# Altium PCB dcdc fix PT1000_16CH.PCBDOC (part 3 of 5)
Units mm, origin at the board's own origin, x right, y up, seen from the top; angles counter-clockwise.
Board outline 289.59 x 100 mm, 4 copper layers (TOP, G1, L2, BOT), stack 1.55 mm thick; 578 components, 662 nets, 2471 pads, 1032 vias.
Unrouted connection lines stored in the file: 760.
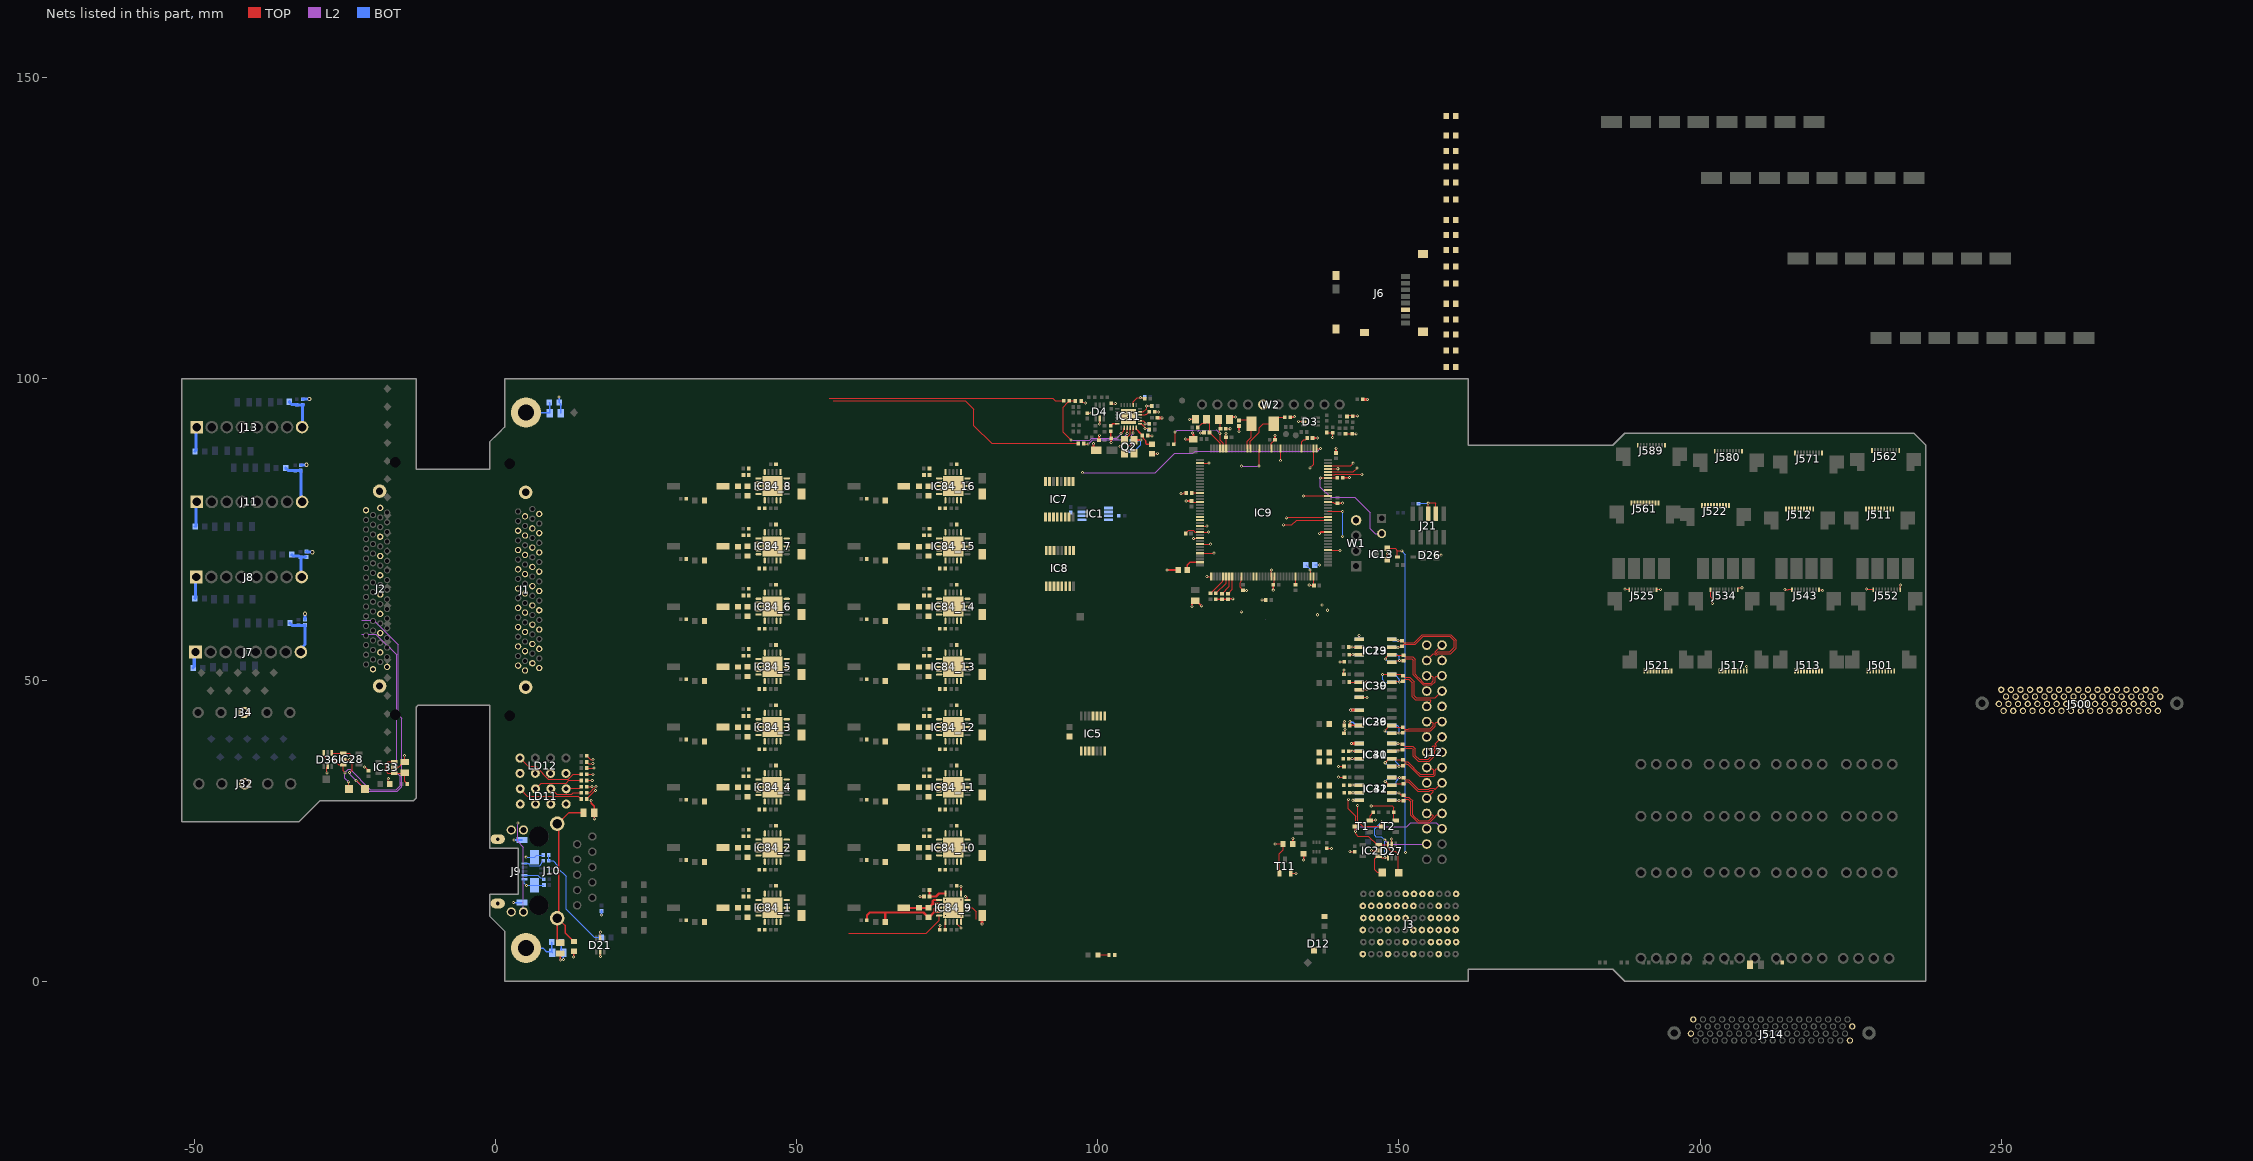
[diagram p5: the nets of this part, all layers, seen from the top]

## Via types
v1: diameter 0.5, hole 0.2, TOP to BOT, tented both sides, 951 vias
v2: diameter 0.7, hole 0.4, TOP to BOT, tented both sides, 56 vias
v3: diameter 0.6, hole 0.3, TOP to BOT, 10 vias
v4: diameter 0.6, hole 0.3, TOP to BOT, tented both sides, 5 vias
v5: diameter 0.5, hole 0.2, TOP to BOT, 5 vias
v6: diameter 0.66, hole 0.33, TOP to BOT, tented both sides, 5 vias

## Nets (pads, with @x,y where several pads share a name; then routed paths per layer and width w, separated by ;. In a path a pad name is that pad's centre, name@x,y a point inside that pad or via, vN(x,y) a via of type N, cw(c..) or ccw(c..) an arc to the next point about the centre after c; other vN are vias at no path point) (continued)
B_RTDIN_P09: J2.41
B_RTDIN_P10: J2.45
B_RTDIN_P11: J2.49
B_RTDIN_P12: J2.53
B_RTDIN_P13: J2.57
B_RTDIN_P14: J2.61
B_RTDIN_P15: J2.65
BB_SCL: D36.4 IC28.1 TP5.1 | length 50.5
  TOP w0.127: D36.4@-27.221,37.875 -27.171,37.825 IC28.1@-25.271,37.825 -24.254,37.825 -23.802,37.372 -23.802,35.055 -24.168,34.689 -24.176,34.689 v1(-24.227,34.638) ; v1(-23.139,33.299) -23.045,33.299 TP5.1@-21.671,31.925
  L2 w0.127: v1(-24.227,34.638) -24.182,34.638 -24.107,34.564 -24.107,34.267 v1(-23.139,33.299) -21.393,31.553 -16.362,31.553 -15.594,32.322 -15.594,43.648 -16.18,44.234 -16.18,55.855 -20.253,59.928 -22.22,59.928
BB_SDA: D36.6 IC28.3 TP4.1 | length 49
  TOP w0.127: D36.6@-28.521,37.875 -28.385,37.738 -28.385,37.191 -27.989,36.795 -26.867,36.795 -25.997,35.925 IC28.3@-25.271,35.925 -25.271,34.956 -25.004,34.689 v1(-25.004,34.6) ; v1(-24.379,33.104) -24.346,33.071 TP4.1@-24.346,31.925
  L2 w0.127: v1(-24.379,33.104) -25.004,33.729 v1(-25.004,34.6) -24.425,35.179 -24.144,35.179 -20.772,31.807 -16.468,31.807 -15.848,32.427 -15.848,33.993 -16.434,34.579 -16.434,54.204 -19.868,57.638 -22.22,57.638
BGA0: J3.C3
BGA1: J3.F3
BGA2: J3.I3
BGA3: J3.L3
BP_I2C.SCL: IC5.8 IC5.11 J3.B2
BP_I2C.SDA: IC5.1 IC5.4 J3.C2
BP_IO.LVDS_N0: J3.E3 R47.1
BP_IO.LVDS_N1: J3.B3 R49.1
BP_IO.LVDS_N2: J3.C4 R51.1
BP_IO.LVDS_N3: J3.L4 R55.1
BP_IO.LVDS_N4: J3.I4 R57.1
BP_IO.LVDS_N5: J3.K5 R59.1
BP_IO.LVDS_N6: J3.H5 R71.1
BP_IO.LVDS_N7: J3.F6 R74.1
BP_IO.LVDS_P0: J3.D3 R45.1
BP_IO.LVDS_P1: J3.A3 R48.1
BP_IO.LVDS_P2: J3.B4 R50.1
BP_IO.LVDS_P3: J3.K4 R52.1
BP_IO.LVDS_P4: J3.H4 R56.1
BP_IO.LVDS_P5: J3.J5 R58.1
BP_IO.LVDS_P6: J3.G5 R60.1
BP_IO.LVDS_P7: J3.E6 R72.1
CPU_RESETn: D5.1 IC9.13 IC13.2 | length 56
  TOP w0.127: IC9.13@130.328,88.444 130.339,88.432 130.339,86.436 v1(130.35,86.425) ; IC13.2@148.088,71.861 149.363,71.861 149.756,71.467 ; D5.1@149.756,70.406 149.756,71.467 ; v1(150.469,71.46) 150.462,71.467 149.756,71.467
  BOT w0.127: v1(150.469,71.46) 151.079,70.85 v1(151.079,21.36)
CSN: IC9.73 R40.2 R112.1 | length 1.4
  TOP w0.127: v1(118.097,67.192) 118.098,67.194 IC9.73@118.828,67.194 ; R112.1@140.905,42.463 140.919,42.477 v1(140.919,43.098)
EEM_GPIO_0: IC9.56 R42.2 R117.1
EEM_GPIO_1: IC9.57 R43.2 R115.1
EEM_GPIO_2: IC9.87 R44.2 R118.1
EEM_GPIO_3: IC9.88 R46.2 R123.1
FFORCE_N0: J500.5 J501.5
FFORCE_N1: J500.9 J501.9
FFORCE_N2: J500.13 J513.5
FFORCE_N3: J500.17 J513.9
FFORCE_N4: J500.21 J517.5
FFORCE_N5: J500.25 J517.9
FFORCE_N6: J500.29 J521.5
FFORCE_N7: J500.33 J521.9
FFORCE_N8: J500.39 J511.5
FFORCE_N9: J500.43 J511.9
FFORCE_N10: J500.47 J512.5
FFORCE_N11: J500.51 J512.9
FFORCE_N12: J500.55 J522.5
FFORCE_N13: J500.59 J522.9
FFORCE_N14: J500.63 J561.5
FFORCE_N15: J500.67 J561.9
FFORCE_P0: J500.2 J501.2
FFORCE_P1: J500.6 J501.6
FFORCE_P2: J500.10 J513.2
FFORCE_P3: J500.14 J513.6
FFORCE_P4: J500.18 J517.2
FFORCE_P5: J500.22 J517.6
FFORCE_P6: J500.26 J521.2
FFORCE_P7: J500.30 J521.6
FFORCE_P8: J500.36 J511.2
FFORCE_P9: J500.40 J511.6
FFORCE_P10: J500.44 J512.2
FFORCE_P11: J500.48 J512.6
FFORCE_P12: J500.52 J522.2
FFORCE_P13: J500.56 J522.6
FFORCE_P14: J500.60 J561.2
FFORCE_P15: J500.64 J561.6
FORCE_N00: IC84_1.9 J1.5
FORCE_N01: IC84_2.9 J1.9
FORCE_N02: IC84_3.9 J1.13
FORCE_N03: IC84_4.9 J1.17
FORCE_N04: IC84_5.9 J1.21
FORCE_N05: IC84_6.9 J1.25
FORCE_N06: IC84_7.9 J1.29
FORCE_N07: IC84_8.9 J1.33
FORCE_N08: IC84_9.9 J1.39 | length 1.3
  TOP w0.2: IC84_9.9@76.65,9.85 76.65,9.497 77.3,8.847 v1(77.3,8.843)
FORCE_N09: IC84_10.9 J1.43
FORCE_N10: IC84_11.9 J1.47
FORCE_N11: IC84_12.9 J1.51
FORCE_N12: IC84_13.9 J1.55
FORCE_N13: IC84_14.9 J1.59
FORCE_N14: IC84_15.9 J1.63
FORCE_N15: IC84_16.9 J1.67
FORCE_P00: IC84_1.5 J1.2
FORCE_P01: IC84_2.5 J1.6
FORCE_P02: IC84_3.5 J1.10
FORCE_P03: IC84_4.5 J1.14
FORCE_P04: IC84_5.5 J1.18
FORCE_P05: IC84_6.5 J1.22
FORCE_P06: IC84_7.5 J1.26
FORCE_P07: IC84_8.5 J1.30
FORCE_P08: IC84_9.5 J1.36 | length 16.7
  TOP w0.2: 58.65,7.99 71.521,7.99 73.65,10.119 IC84_9.5@73.65,10.9
FORCE_P09: IC84_10.5 J1.40
FORCE_P10: IC84_11.5 J1.44
FORCE_P11: IC84_12.5 J1.48
FORCE_P12: IC84_13.5 J1.52
FORCE_P13: IC84_14.5 J1.56
FORCE_P14: IC84_15.5 J1.60
FORCE_P15: IC84_16.5 J1.64
FRTDIN_N0: J500.4 J501.4
FRTDIN_N1: J500.8 J501.8
FRTDIN_N2: J500.12 J513.4
FRTDIN_N3: J500.16 J513.8
FRTDIN_N4: J500.20 J517.4
FRTDIN_N5: J500.24 J517.8
FRTDIN_N6: J500.28 J521.4
FRTDIN_N7: J500.32 J521.8
FRTDIN_N8: J500.38 J511.4
FRTDIN_N9: J500.42 J511.8
FRTDIN_N10: J500.46 J512.4
FRTDIN_N11: J500.50 J512.8
FRTDIN_N12: J500.54 J522.4
FRTDIN_N13: J500.58 J522.8
FRTDIN_N14: J500.62 J561.4
FRTDIN_N15: J500.66 J561.8
FRTDIN_P0: J500.3 J501.3
FRTDIN_P1: J500.7 J501.7
FRTDIN_P2: J500.11 J513.3
FRTDIN_P3: J500.15 J513.7
FRTDIN_P4: J500.19 J517.3
FRTDIN_P5: J500.23 J517.7
FRTDIN_P6: J500.27 J521.3
FRTDIN_P7: J500.31 J521.7
FRTDIN_P8: J500.37 J511.3
FRTDIN_P9: J500.41 J511.7
FRTDIN_P10: J500.45 J512.3
FRTDIN_P11: J500.49 J512.7
FRTDIN_P12: J500.53 J522.3
FRTDIN_P13: J500.57 J522.7
FRTDIN_P14: J500.61 J561.3
FRTDIN_P15: J500.65 J561.7
GND: C1.1 C2.1 C9.1 C10.1 C11.2 C17.1 C18.1 C21.2 C22.2 C23.2 C24.2 C25.1 C28.1 C29.2 C30.2 C31.2 C32.2 C33.2 C35.2 C36.1 C64.2 C65.1 C77.2 C79.2 C80.1 C81.1 C84.1 C85.1 C87.1 C88.1 C92.2 C93.2 C94.2 C95.2 C96.2 C97.2 C98.2 C99.2 C100.1 C102.2 C103.2 C108.1 C109.1 C126.2 C128.1 C129.1 C130.1 C131.1 C138.1 C139.2 C144.1 C145.1 C146.1 C147.1 C148.1 C151.1 C160.2 C161.2 C224_1.2 C224_2.2 C224_3.2 C224_4.2 C224_5.2 C224_6.2 C224_7.2 C224_8.2 C224_9.2 C224_10.2 C224_11.2 C224_12.2 C224_13.2 C224_14.2 C224_15.2 C224_16.2 C225_1.2 C225_2.2 C225_3.2 C225_4.2 C225_5.2 C225_6.2 C225_7.2 C225_8.2 C225_9.2 C225_10.2 C225_11.2 C225_12.2 C225_13.2 C225_14.2 C225_15.2 C225_16.2 C226_1.1 C226_2.1 C226_3.1 C226_4.1 C226_5.1 C226_6.1 C226_7.1 C226_8.1 C226_9.1 C226_10.1 C226_11.1 C226_12.1 C226_13.1 C226_14.1 C226_15.1 C226_16.1 D3.2 D4.2 D12.1 D21.2 D26.2 D27.2 D36.2 IC1.4 IC1.5 IC1.6 IC1.7 IC2.2 IC5.7 IC7.8 IC8.8 IC9.16 IC9.31 IC9.38 IC9.51 IC9.61 IC9.83 IC9.94 IC9.107 IC9.120 IC9.130 IC11.25 IC13.1 IC19.5 IC23.4 IC28.2 IC29.5 IC30.3 IC30.4 IC31.5 IC32.4 IC33.2 IC36.4 IC39.5 IC40.4 IC41.5 IC84_1.10 IC84_1.15 IC84_1.16 IC84_1.21 IC84_2.10 IC84_2.15 IC84_2.16 IC84_2.21 IC84_3.10 IC84_3.15 IC84_3.16 IC84_3.21 IC84_4.10 IC84_4.15 IC84_4.16 IC84_4.21 IC84_5.10 IC84_5.15 IC84_5.16 IC84_5.21 IC84_6.10 IC84_6.15 IC84_6.16 IC84_6.21 IC84_7.10 IC84_7.15 IC84_7.16 IC84_7.21 IC84_8.10 IC84_8.15 IC84_8.16 IC84_8.21 IC84_9.10 IC84_9.15 IC84_9.16 IC84_9.21 IC84_10.10 IC84_10.15 IC84_10.16 IC84_10.21 IC84_11.10 IC84_11.15 IC84_11.16 IC84_11.21 IC84_12.10 IC84_12.15 IC84_12.16 IC84_12.21 IC84_13.10 IC84_13.15 IC84_13.16 IC84_13.21 IC84_14.10 IC84_14.15 IC84_14.16 IC84_14.21 IC84_15.10 IC84_15.15 IC84_15.16 IC84_15.21 IC84_16.10 IC84_16.15 IC84_16.16 IC84_16.21 J1.1 J1.35 J1.69 J1.70 J2.1 J2.34 J2.35 J2.68 J2.69 J2.70 J3.A2 J3.A4 J3.A6 J3.C1 J3.C5 J3.D2 J3.D4 J3.D6 J3.F1 J3.F5 J3.G2 J3.G4 J3.G6 J3.I1 J3.I5 J3.J2 J3.J4 J3.J6 J3.L1 J3.L5 J6.6 J6.9 J6.10 J6.11 J6.13 J6.14 J7.1 J8.1 J9.5 J9.6 J9.7 J9.8 J9.9 J9.10 J9.11 J10.L2 J10.L4 J11.1 J12.1 J12.4 J12.7 J12.10 J12.13 J12.16 J12.19 J12.22 J12.25 J13.1 J21.3 J21.5 J32.3 J34.3 J500.1 J500.34 J500.35 J500.68 J501.1 J501.10 J511.1 J511.10 J512.1 J512.10 J513.1 J513.10 J514.1 J514.34 J514.35 J514.68 J517.1 J517.10 J521.1 J521.10 J522.1 J522.10 J525.1 J525.10 J534.1 J534.10 J543.1 J543.10 J552.1 J552.10 J561.1 J561.10 J562.1 J562.10 J571.1 J571.10 J580.1 J580.10 J589.1 J589.10 LD11.1 LD11.3 LD11.5 LD11.7 LD12.1 LD12.3 LD12.5 LD12.7 Q2.2 Q2.4 R8.2 R25.2 R26.2 R28.2 R32.2 R36_1.1 R36_2.1 R36_3.1 R36_4.1 R36_5.1 R36_6.1 R36_7.1 R36_8.1 R36_9.1 R36_10.1 R36_11.1 R36_12.1 R36_13.1 R36_14.1 R36_15.1 R36_16.1 R63.2 R75.2 R81.2 R84.2 R86.1 R93.2 R106.2 R119.2 R125.1 R135.1 R156.1 R162.1 R170.1 R181.1 R195.1 R196.1 R197.1 R220.1 R223.1 T11.2 W1.4 W2.5 | length 165.1
  TOP w0.127: v1(-27.989,34.6) -27.989,35.557 D36.2@-27.871,35.675 ; IC28.2@-25.271,36.875 -25.191,36.795 v1(-24.242,36.795) ; v1(-21.742,35.585) -21.742,35.571 C138.1@-21.096,34.925 ; v1(-17.804,33.629) -17.804,33.008 C151.1@-17.546,32.75 ; IC33.2@-16.846,35.5 -16.13,35.5 -15.733,35.898 -15.733,35.939 -15.271,36.4 C139.2@-15.096,36.4 v1(-15.096,37.445) ; v1(12.95,4) v1@13,4.05 ; v1(70.477,14.05) C226_9.1@71.15,14.05 ; R36_9.1@73.76,8.53 73.784,8.554 v1(73.784,9.242) ; IC84_9.10@77.3,9.85 IC84_9.21@77.3,10.9 ; v1@78.205,14.011 78.35,13.866 IC84_9.15@78.35,13.5 ; R28.2@97.228,96.35 97.228,96.33 97.454,96.104 97.737,96.104 97.818,96.023 v1(97.919,96.023) ; C80.1@98.252,94.323 98.256,94.318 v1(98.88,94.318) ; C77.2@99.289,88.631 C77.2@99.745,88.175 ; v1@100.195,90.462 100.28,90.547 v1(100.28,90.648) ; C79.2@102.22,95.949 102.264,95.905 v1(102.903,95.905) ; Q2.4@104.42,87.65 104.931,88.162 104.931,88.636 106.02,89.725 Q2.2@106.02,89.85 ; C100.1@108.295,90.625 C100.1@108.352,90.568 ; C87.1@108.97,87.575 109.835,87.575 v1(109.91,87.65) ; R25.2@109.446,94.55 109.46,94.536 v1(110.038,94.536) ; C95.2@114.582,74.341 115.082,74.842 115.871,74.842 115.982,74.73 115.982,74.673 116.087,74.569 IC9.61@116.953,74.569 116.955,74.571 118.398,74.571 v1(118.4,74.573) ; C30.2@115.553,79.719 115.703,79.569 IC9.51@116.953,79.569 ; C35.2@115.621,62.688 116.082,63.15 C35.2@116.207,63.15 C35.2@116.382,63.15 ; IC9.38@116.953,86.069 117.001,86.02 v1@118.47,86.02 ; v1(117.045,91.049) 117.595,91.049 C23.2@117.647,91.1 ; v1@117.201,62.332 v1(117.248,62.332) ; C24.2@121.256,91.732 v1(121.973,91.732) ; C31.2@121.278,90.3 v1(121.278,90.918) ; IC9.31@121.328,88.444 C31.2@121.328,90.037 ; C25.1@121.851,93.262 C25.1@121.901,93.312 ; IC9.83@123.828,67.194 123.828,66.383 123.753,66.309 123.722,66.309 123.61,66.197 123.61,65.409 123.901,65.118 C96.2@123.901,64.922 ; C96.2@124.111,64.909 124.122,64.897 v1(124.71,64.897) ; v1(127.24,63.333) 127.819,63.333 R75.2@127.858,63.294 ; IC9.16@128.828,88.444 128.828,89.304 C33.2@129.435,89.912 ; C97.2@129.128,65.819 129.328,66.019 IC9.94@129.328,67.194 ; T11.2@132.037,17.921 v1(132.887,17.921) ; v1@132.35,23.713 v1(132.369,23.731) ; v1(133.323,92.963) D3.2@134.175,92.963 ; v1(134.163,20.148) v1@134.19,20.175 ; D3.2@134.175,92.925 D3.2@134.45,92.925 ; v1(135.105,65.764) 135.822,65.764 C98.2@135.878,65.708 135.828,65.758 IC9.107@135.828,67.194 ; C126.2@138,91.1 138.93,91.1 R93.2@139,91.03 v1(139,90.3) ; R196.1@138.02,22.056 v1(138.809,22.056) ; IC9.130@138.203,79.569 138.254,79.517 139.068,79.517 139.217,79.369 C32.2@139.778,79.369 ; v1@139.553,88.46 v1(139.578,88.485) ; v1(139.985,33.875) C145.1@140.945,33.875 ; v1(139.985,35.656) C147.1@140.862,35.656 ; v1(140.223,53.025) C148.1@140.912,53.025 ; C144.1@140.862,41.193 141.028,41.36 v1(141.028,41.776) ; C146.1@140.862,50.968 v1(140.862,51.696) ; C93.2@141.117,90.918 R84.2@142.223,90.918 142.88,90.918 v1(142.9,90.898) ; C92.2@141.364,93.784 141.591,94.011 142.118,94.011 R81.2@142.345,93.784 142.439,93.878 v1(143.077,93.878) ; v1@141.777,83.6 v1(141.805,83.628) ; v1(141.845,21.575) 141.928,21.492 C2.1@142.643,21.492 ; v1(142.342,30.048) 142.37,30.02 IC32.4@143.425,30.02 ; IC30.4@143.394,47.127 v1(144.671,47.126) ; IC30.3@143.394,48.397 v1(144.671,48.397) ; IC19.5@143.394,56.751 v1(143.394,57.4) ; R125.1@143.999,96.631 R125.1@144.005,96.625 ; v1(145.44,21.666) 145.476,21.702 IC2.2@146.619,21.702 ; IC13.1@148.088,69.956 v1(148.088,71.012) ; v1(148.794,23.61) 148.837,23.567 D27.2@148.837,22.702 ; J21.5@154.86,77.5 v1(154.86,79.369) ; v1@154.94,79.477 154.996,79.42 156.056,79.42 156.13,79.346 J21.3@156.13,77.5 ; D26.2@155.93,70.713 155.948,70.731 v1(157.009,70.731) ; v1(187.522,65.097) 188.158,65.097 188.245,65.011 J525.1@188.245,65 ; J525.10@192.745,65 192.817,65.072 v1(193.433,65.072) ; J534.1@201.745,65 201.745,63.817 202.035,63.527 v1(202.035,62.71) ; J534.10@206.245,65 206.245,65.245 206.331,65.331 v1(206.939,65.331) ; v1(214.067,65.006) 214.6,65.006 214.697,65.102 215.158,65.102 215.245,65.016 J543.1@215.245,65 ; J543.10@219.745,65 220.109,65 220.259,64.85 v1(220.36,64.85) ; v1(227.595,65.102) 228.658,65.102 228.745,65.016 J552.1@228.745,65 ; J552.10@233.245,65 v1(233.245,65.777)
  TOP w0.152: IC84_9.16@77.3,14.55 v1(77.3,15.703)
  TOP w0.254: v1(10.754,3.504) C102.2@10.754,4.612 ; v1@13,4.05 R135.1@13,5 ; D21.2@17.4,4.9 17.4,4.123 v1(17.404,4.119)
  TOP w0.3: v1(15.878,29.981) 15.878,29.56 16.4,29.038 C103.2@16.4,28 v1(16.4,26.973) ; C77.2@99.289,88.631 v1(99.289,89.25) ; C81.1@100.195,89.8 v1@100.195,90.462 ; v1(100.31,92.522) D4.2@100.31,93.43 ; R26.2@102.145,91.305 102.145,90.25 C88.1@102.22,90.175 v1(102.22,89.444) ; Q2.2@106.02,89.85 v1(107.144,89.85) ; C100.1@108.352,90.568 v1(108.99,90.568) ; v1(111.506,68.269) C18.1@113.362,68.269 ; v1(114.588,90.037) 114.657,89.969 C99.2@115.828,89.969 115.876,90.016 115.876,90.769 115.703,90.942 v1(115.703,91.03) ; v1(114.683,79.719) C30.2@115.553,79.719 ; v1(115.193,93.301) C28.1@116.222,93.301 ; v1(115.621,62.255) C35.2@115.621,62.688 ; C35.2@116.382,63.15 v1@117.201,62.332 ; R8.2@119.6,63.46 119.63,63.43 R106.2@120.6,63.43 R119.2@121.6,63.43 121.669,63.499 v1(122.415,63.499) ; C25.1@121.901,93.312 122.273,93.683 v1(122.859,93.683) ; v1(123.435,91.308) C22.2@123.435,92.207 ; v1(129.128,64.929) C97.2@129.128,65.819 ; v1(129.431,90.604) 129.433,90.602 129.433,89.914 C33.2@129.435,89.912 ; C21.2@131.935,93.63 131.997,93.691 132.593,93.691 v1(132.631,93.73) ; R197.1@132.35,22.784 v1@132.35,23.713 ; v1@134.19,20.175 R195.1@134.19,21.146 ; C64.2@135.653,90.187 v1(136.448,90.187) ; v1(136.81,74.375) v1(136.81,74.375) 137.005,74.569 IC9.120@138.203,74.569 ; C94.2@139.553,87.719 v1@139.553,88.46 ; C32.2@139.778,79.369 v1(140.613,79.369) ; R63.2@140.67,83.6 v1@141.777,83.6
  TOP w0.5: v1(80.8,9.487) C225_9.2@80.8,10.9 ; R125.1@144.005,96.625 v1(144.75,96.625)
  TOP w0.508: C84.1@109.89,93.55 v1(110.676,93.55) ; v1(141.961,45.003) IC29.5@143.394,45.003 ; v1(142.114,39.469) 142.116,39.466 IC31.5@143.394,39.466
  L2 w0.127: 127.877,60.121 127.878,60.122
  BOT w0.127: J9.5@4.8,16.95 4.8,16.256 v1(5.156,15.9) J9.11@6.5,15.9 6.575,15.975 C108.1@8.035,15.975 ; v1(5.08,20.6) J9.10@6.5,20.6 6.855,20.955 C109.1@7.923,20.955 ; C36.1@105.57,89.725 106.918,89.725 107.043,89.85 v1(107.144,89.85) 107.144,89.109 C65.1@106.039,88.005 ; C17.1@136.019,69.119 v1(136.809,69.119) ; v1@142.367,30.099 142.418,30.048 143.397,30.048 IC41.5@143.425,30.02 ; IC23.4@143.358,56.871 143.394,56.907 v1(143.394,57.4) ; IC39.5@143.394,47.126 v1(144.671,47.126) ; C29.2@153.243,79.297 153.314,79.369 v1(154.86,79.369) v1@154.789,79.297
  BOT w0.254: v1(2.95,13.05) J9.9@4.4,13.05 ; v1(3.1,23.45) J9.8@4.4,23.45 ; v1(10.525,97) 10.542,96.983 R220.1@10.542,96.074 10.825,95.791 C160.2@10.825,94.312 ; R223.1@10.907,6.487 10.907,5.083 C161.2@11.239,4.75 11.239,3.504 11.301,3.566 v1(11.301,3.596) ; C85.1@17.577,11.672 17.591,11.658 17.591,10.986 v1(17.605,10.972)
  BOT w0.5: R156.1@-50.228,52.045 -50.028,52.245 -50.028,54.607 J7.1@-49.823,54.812 ; R162.1@-49.924,63.525 -49.811,63.638 -49.811,67.565 J8.1@-49.86,67.615 ; R181.1@-49.898,87.986 -49.76,88.124 -49.76,92.015 J13.1@-49.621,92.153 ; R170.1@-49.873,75.463 -49.748,75.588 -49.748,79.607 J11.1@-49.623,79.732 ; C130.1@-32.334,85.692 -32.305,85.721 -31.423,85.721 v2(-31.394,85.75) ; C131.1@-32.004,96.614 -31.975,96.643 -30.941,96.643 v2(-30.912,96.672) ; v2(-31.642,61.004) -31.633,60.994 -31.633,60.073 C128.1@-31.623,60.064 ; C129.1@-31.394,71.341 -31.334,71.281 -30.506,71.281 -30.458,71.233 v2(-30.404,71.233)
  BOT w0.508: v1(141.961,45.003) IC36.4@143.394,45.003 ; v1(142.114,39.469) 143.391,39.469 IC40.4@143.394,39.466
  other v1: 78.015,14.082 207.745,52.277 136.475,60.849 138.151,61.595 137.258,62.457 118.475,86.025
  other v5: 77.338,10.844 74.7,10.9 76,12.2 74.7,13.542 77.3,13.542
  other v6: 104.52,93.2 105.72,93.2 105.12,93.8 104.52,94.4 105.72,94.4
HWREV0: IC9.77 R7.1 | length 3.7
  TOP w0.127: R7.1@118.7,64.4 118.72,64.4 120.716,66.396 120.716,67.082 IC9.77@120.828,67.194
HWREV1: IC9.78 R8.1 | length 3.5
  TOP w0.127: R8.1@119.6,64.4 119.62,64.4 121.328,66.108 IC9.78@121.328,67.194
HWREV2: IC9.79 R106.1 | length 3.3
  TOP w0.127: R106.1@120.6,64.37 120.62,64.37 121.828,65.578 IC9.79@121.828,67.194
HWREV3: IC9.80 R119.1 | length 3.1
  TOP w0.127: R119.1@121.6,64.37 121.62,64.37 122.328,65.078 IC9.80@122.328,67.194
I2C1_SCL: IC9.139 | length 5.7
  TOP w0.127: IC9.139@138.203,84.069 139.329,84.069 139.436,84.176 v1(143.835,84.176)
I2C1_SDA: IC9.140 | length 5.1
  TOP w0.127: IC9.140@138.203,84.569 142.41,84.569 v1(143.036,85.194)
I2C4_SCL: R3.1 T2.2 | length 6.2
  TOP w0.127: v1(145.4,29.108) 148.851,29.108 149.157,28.803 R3.1@149.157,28.04 149.157,26.926 149.419,26.665 T2.2@149.487,26.665
I2C4_SDA: R4.1 T1.2 | length 2.4
  TOP w0.127: R4.1@145.718,28.04 145.718,28.02 145.213,27.514 145.213,26.753 v1(146.087,26.753)
I2C_SCL: D27.4 IC1.2 IC2.1 J12.27 T2.3 TP2.1 | length 28.4
  TOP w0.127: v1(143.143,29.175) 143.143,26.547 143.975,25.715 T2.3@147.187,25.715 147.119,25.783 v1(147.119,26.44) ; TP2.1@147.235,18.052 146.41,18.052 145.952,18.509 145.952,20.336 146.368,20.752 146.869,20.752 147.119,20.502 v1(147.653,20.502) D27.4@148.187,20.502
  L2 w0.127: v1(147.651,23.419) 148.291,22.778 J12.27@154.614,22.778
  BOT w0.127: v1(147.119,26.44) 145.974,25.295 145.974,24.232 146.177,24.028 147.074,24.028 v1@147.653,23.45 ; v1(147.653,20.502) v1(147.651,23.419)
I2C_SCL.CPCIS: IC5.9 IC5.10
I2C_SDA: D27.3 IC1.1 IC2.3 J12.26 T1.3 TP1.1 | length 33.9
  TOP w0.127: v1(141.607,30.2) 141.607,28.647 142.825,27.429 T1.3@142.825,25.715 142.773,25.664 v1(142.773,24.892) 142.788,24.878 142.788,24.452 143.143,24.096 144.925,24.096 146.368,22.652 IC2.3@146.619,22.652 148.137,22.652 D27.3@148.187,22.702 148.187,22.037 148.677,21.546 149.387,21.546 149.878,21.056 149.878,18.109 TP1.1@149.987,18
  L2 w0.127: v1(142.773,24.892) 142.773,25.019 143.431,25.677 151.33,25.677 151.963,26.309 156.164,26.309 157.001,25.472 157.154,25.472 J12.26@157.154,25.318
I2C_SDA.CPCIS: IC5.2 IC5.3
I_meas_P12V0: IC9.20 | length 5.8
  TOP w0.127: v1(126.771,85.55) 126.8,85.579 126.8,88.359 126.771,88.387 IC9.20@126.828,88.444
  L2 w0.127: v1(123.876,85.509) v1@126.771,85.509
  other v1: 123.828,61.339
JRST: IC9.134
LED0: IC9.124 R143.1 | length 9.7